# Altium PCB LPCB235R0.PcbDoc (part 7 of 7)
Units mm, origin at the board's own origin, x right, y up, seen from the top; angles counter-clockwise.
Board outline 134 x 120 mm, 6 copper layers (Top Layer, IP1(DGND), MidLayer1, MidLayer2, IP2(D3V3), Bottom Layer), stack 1.623 mm thick; 472 components, 425 nets, 2110 pads, 1126 vias.
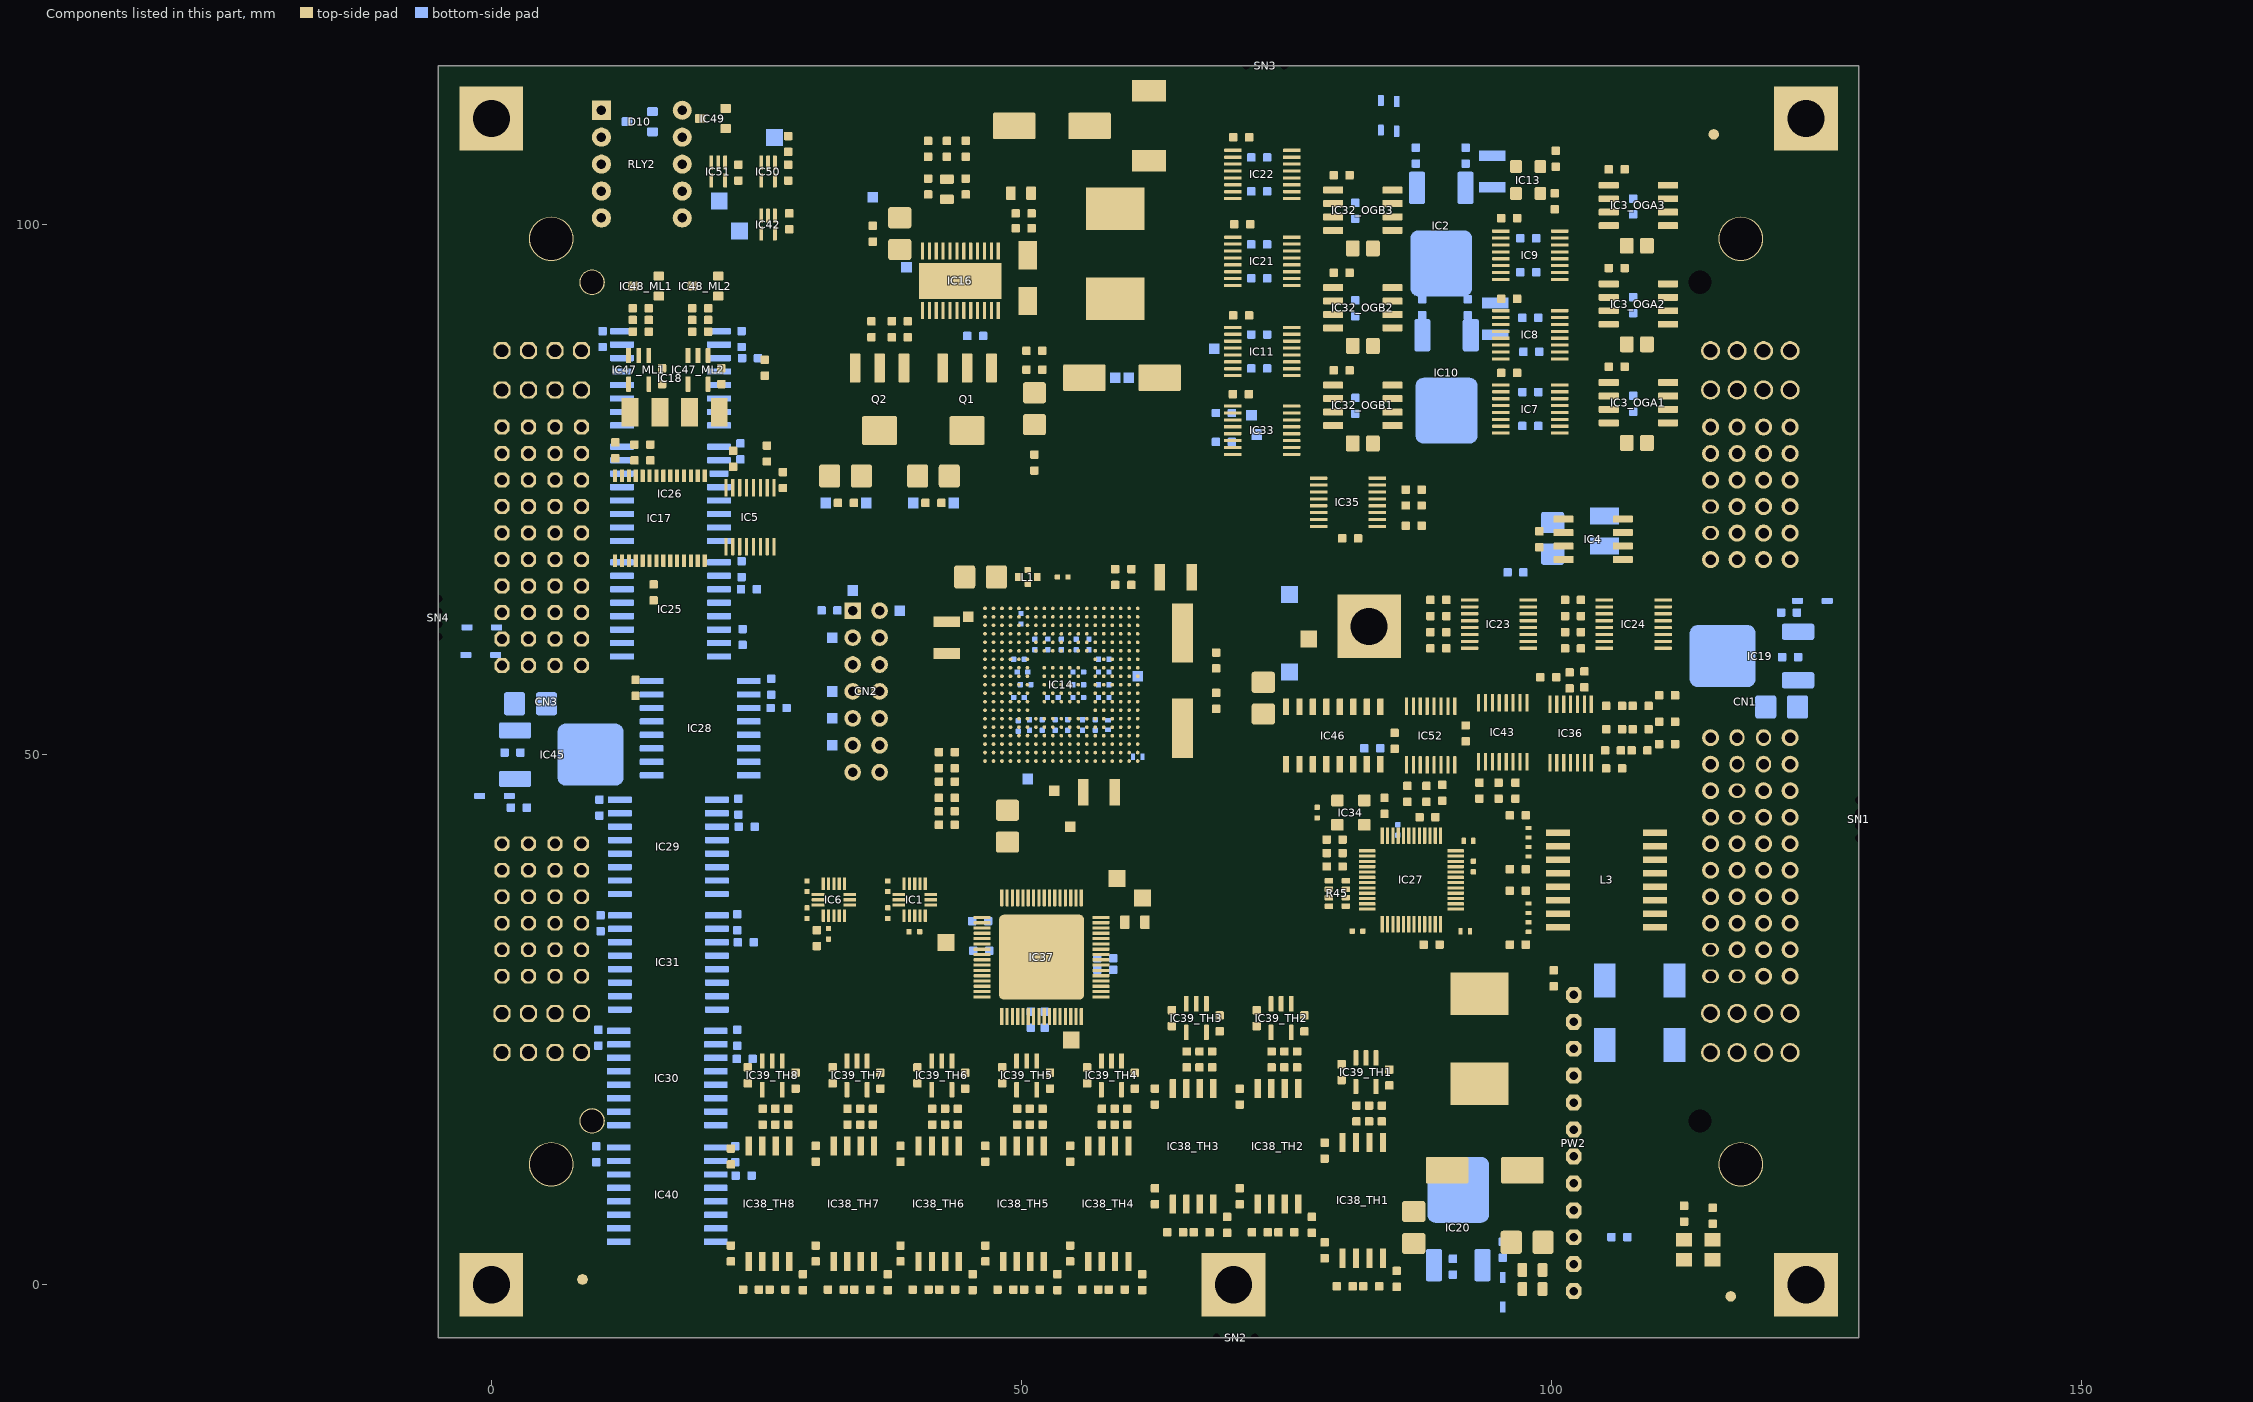
[diagram p11: the components of this part, seen from the top]

## Polygon pours and split planes (outlines as drawn) (continued)
P5V3 on MidLayer2 "Top Layer-No Net" (solid, pour order 80): 30.016,92.028 39.922,92.028 39.922,92.663 40.43,93.171 43.732,93.171 50.463,86.44 50.463,82.376 51.352,81.487 56.432,81.487 56.94,80.979 56.94,72.089 56.559,71.708 50.336,71.708 48.05,69.422 48,69.4 29.6,69.4 29.635,91.647
D5V_SER on MidLayer2 "Keep-Out Layer-No Net" (solid, remove dead copper, pour order 47): 68.7,108.2 108.6,108.2 108.6,78.5 68.7,78.5
DGND on IP1(DGND) (split plane): 128.49,-4.49 -4.49,-4.49 -4.49,114.49 128.49,114.49
D3V3_SER on IP2(D3V3) (split plane): 108.448,80.004 107.996,79.552 103,79.552 102.935,79.544 102.874,79.518 102.822,79.478 101.146,77.802 85.35,77.802 85.285,77.794 85.224,77.768 85.172,77.728 84.422,76.978 84.382,76.926 84.356,76.865 84.348,76.8 84.348,69.604 83.696,68.952 79.404,68.952 78.452,69.904 78.452,75.7 78.444,75.765 78.418,75.826 78.378,75.878 76.528,77.728 76.476,77.768 76.415,77.794 76.35,77.802 69.369,77.802 68.626,78.545 68.626,90.631 68.626,101.934 68.626,114.147 68.969,114.49 108.448,114.49
P5V3 on IP2(D3V3) (split plane): 68.114,114.147 68.114,101.934 68.114,90.631 68.114,89.721 67.629,89.236 46.886,89.236 45.183,90.939 45.13,90.98 45.068,91.005 45.002,91.014 34.448,91.014 29.952,95.51 29.952,114.49 67.771,114.49
D3V3_CPU on IP2(D3V3) (split plane): 128.49,-4.49 100.552,-4.49 100.552,8.7 100.544,8.765 100.518,8.826 100.478,8.878 99.078,10.278 98.978,10.378 98.926,10.418 98.865,10.444 98.8,10.452 46.852,10.452 46.852,25.548 73.5,25.548 73.565,25.556 73.626,25.582 73.678,25.622 76.178,28.122 76.201,28.151 76.218,28.174 76.226,28.192 76.244,28.235 76.252,28.3 76.252,46.396 76.804,46.948 105.2,46.948 105.265,46.956 105.326,46.982 105.378,47.022 106.078,47.722 106.118,47.774 106.144,47.835 106.152,47.9 106.152,49.648 112.4,49.648 112.465,49.656 112.526,49.682 112.578,49.722 113.178,50.322 113.218,50.374 113.244,50.435 113.252,50.5 113.252,52.196 114.304,53.248 128.49,53.248
D3V3_IO on IP2(D3V3) (split plane): 128.49,65.936 128.482,65.926 128.456,65.865 128.448,65.8 128.448,53.752 114.2,53.752 114.135,53.744 114.074,53.718 114.044,53.696 114.022,53.678 112.822,52.478 112.782,52.426 112.756,52.365 112.748,52.3 112.748,50.604 112.296,50.152 106.152,50.152 106.152,51 106.144,51.065 106.118,51.126 106.096,51.156 106.078,51.178 105.078,52.178 105.026,52.218 104.965,52.244 104.9,52.252 85.009,52.252 86.778,54.022 86.818,54.074 86.844,54.135 86.852,54.2 86.852,65.696 87.104,65.948 128.49,65.948
D3V3_CPU on IP2(D3V3) (split plane): 128.49,66.452 87,66.452 86.935,66.444 86.874,66.418 86.844,66.396 86.822,66.378 86.422,65.978 86.382,65.926 86.356,65.865 86.348,65.8 86.348,54.304 84.296,52.252 72.2,52.252 72.135,52.244 72.092,52.226 72.074,52.218 72.051,52.201 72.022,52.178 71.322,51.478 71.282,51.426 71.256,51.365 71.248,51.3 71.248,33.604 69.896,32.252 46.852,32.252 46.852,40.9 46.844,40.965 46.818,41.026 46.778,41.078 44.078,43.778 44.026,43.818 43.965,43.844 43.9,43.852 29.504,43.852 28.552,44.804 28.552,91.8 28.544,91.865 28.518,91.926 28.496,91.956 28.478,91.978 23.878,96.578 23.826,96.618 23.765,96.644 23.7,96.652 12.4,96.652 12.335,96.644 12.274,96.618 12.244,96.596 12.222,96.578 11.722,96.078 11.682,96.026 11.656,95.965 11.648,95.9 11.648,92.552 -4.49,92.552 -4.49,114.49 29.448,114.49 29.448,95.431 29.444,95.4 29.453,95.334 29.478,95.272 29.519,95.219 34.161,90.577 34.214,90.536 34.232,90.529 34.276,90.511 34.342,90.502 44.896,90.502 46.599,88.799 46.652,88.758 46.696,88.74 46.714,88.733 46.78,88.724 67.629,88.724 68.114,88.239 68.114,78.439 68.123,78.373 68.148,78.311 68.189,78.258 69.078,77.369 69.131,77.328 69.193,77.303 69.259,77.294 69.29,77.298 76.246,77.298 77.948,75.596 77.948,69.8 77.956,69.735 77.982,69.674 78.022,69.622 79.122,68.522 79.144,68.504 79.174,68.482 79.235,68.456 79.3,68.448 83.8,68.448 83.865,68.456 83.926,68.482 83.978,68.522 84.778,69.322 84.801,69.351 84.818,69.374 84.826,69.392 84.844,69.435 84.852,69.5 84.852,76.696 85.454,77.298 101.25,77.298 101.315,77.306 101.376,77.332 101.428,77.372 103.104,79.048 108.1,79.048 108.165,79.056 108.226,79.082 108.278,79.122 108.878,79.722 108.918,79.774 108.944,79.835 108.952,79.9 108.952,114.49 114.761,114.49 115.179,114.072 115.232,114.031 115.294,114.006 115.36,113.997 115.426,114.006 115.488,114.031 115.541,114.072 115.959,114.49 128.49,114.49
D3V3_CPU on IP2(D3V3) (split plane): 41.248,38.896 41.248,35.9 41.248,29.352 29.204,29.352 28.052,30.504 28.052,40.048 40.096,40.048
D5V_IO on IP2(D3V3) (split plane): 28.048,91.696 28.048,44.7 28.056,44.635 28.082,44.574 28.122,44.522 29.222,43.422 29.244,43.404 29.274,43.382 29.335,43.356 29.4,43.348 43.796,43.348 46.348,40.796 46.348,32 46.356,31.935 46.382,31.874 46.422,31.822 46.474,31.782 46.535,31.756 46.6,31.748 70,31.748 70.065,31.756 70.126,31.782 70.178,31.822 71.678,33.322 71.718,33.374 71.744,33.435 71.752,33.5 71.752,51.196 72.304,51.748 84.203,51.748 84.224,51.732 84.285,51.706 84.35,51.698 84.415,51.706 84.476,51.732 84.497,51.748 104.796,51.748 105.648,50.896 105.648,48.004 105.096,47.452 76.7,47.452 76.635,47.444 76.574,47.418 76.522,47.378 75.822,46.678 75.782,46.626 75.756,46.565 75.748,46.5 75.748,28.404 73.396,26.052 46.6,26.052 46.535,26.044 46.474,26.018 46.422,25.978 46.382,25.926 46.356,25.865 46.348,25.8 46.348,10.2 46.356,10.135 46.382,10.074 46.422,10.022 46.474,9.982 46.535,9.956 46.6,9.948 98.696,9.948 98.722,9.922 100.048,8.596 100.048,-4.49 20.452,-4.49 20.452,8.796 21.504,9.848 41.5,9.848 41.565,9.856 41.626,9.882 41.678,9.922 41.718,9.974 41.744,10.035 41.752,10.1 41.752,35.9 41.752,39 41.744,39.065 41.718,39.126 41.678,39.178 40.378,40.478 40.326,40.518 40.265,40.544 40.2,40.552 27.104,40.552 25.852,41.804 25.852,62 25.852,83.4 25.844,83.465 25.818,83.526 25.778,83.578 24.978,84.378 24.926,84.418 24.865,84.444 24.8,84.452 12.804,84.452 12.152,85.104 12.152,95.796 12.504,96.148 23.596,96.148
D3V3_ASI on IP2(D3V3) (split plane): 11.648,85 11.656,84.935 11.682,84.874 11.722,84.822 12.522,84.022 12.574,83.982 12.635,83.956 12.7,83.948 24.696,83.948 25.348,83.296 25.348,62 25.348,61.8 25.348,41.7 25.356,41.635 25.382,41.574 25.422,41.522 26.822,40.122 26.874,40.082 26.935,40.056 27,40.048 27.548,40.048 27.548,30.4 27.556,30.335 27.582,30.274 27.622,30.222 28.922,28.922 28.974,28.882 29.035,28.856 29.1,28.848 41.248,28.848 41.248,10.352 21.4,10.352 21.335,10.344 21.274,10.318 21.244,10.296 21.222,10.278 20.022,9.078 19.982,9.026 19.956,8.965 19.948,8.9 19.948,-4.49 -4.49,-4.49 -4.49,92.048 11.648,92.048

## Keep-outs
Keep-Out Layer:
  the board outline again, w0.5

## Other copper
IP1(DGND) (plane layer: these items are gaps in the copper):
  lines w0.5: 32,115 126,115 ; 48.4,-5 126,-5 ; 129,-2 129,112
  lines w1: 44.809,-5.009 48.4,-5.009
  text "DGND" at 42.97,109.935 h1.14
  text "DGND" at 123.615,104.22 h1.14
  text "DGND" at 60.75,76.915 h1.14
  text "DGND" at 93.77,68.66 h1.14
  text "DGND" at 120.44,62.31 h1.14
  text "DGND" at 48.05,43.26 h1.14
  text "DGND" at 107.105,36.91 h1.14
IP2(D3V3) (plane layer: these items are gaps in the copper):
  lines w0.1: 32,115 126,115 ; 48.4,-5 126,-5 ; 129,-2 129,112
  lines w0.5: -5,92.3 11.9,92.3 ; 20.2,-5 20.2,8.9 21.4,10.1 41.5,10.1 41.5,35.9 41.5,39 40.2,40.3 27,40.3 25.6,41.7 25.6,62 ; 25.6,61.8 25.6,83.4 24.8,84.2 12.7,84.2 11.9,85 11.9,95.9 12.4,96.4 23.7,96.4 28.3,91.8 28.3,44.7 29.4,43.6 43.9,43.6 46.6,40.9 46.6,32 60.1,32 ; 27.8,40.3 27.8,30.4 29.1,29.1 41.5,29.1 ; 29.7,95.4 29.7,115 ; 32,115 126,115 ; 48.4,-5 126,-5 ; 59.7,32 70,32 71.5,33.5 71.5,51.3 72.2,52 104.9,52 105.9,51 105.9,47.9 105.2,47.2 76.7,47.2 76,46.5 76,28.3 73.5,25.8 59.9,25.8 ; 60.1,25.8 46.6,25.8 46.6,10.2 98.8,10.2 99,10 ; 69.259,77.55 74.6,77.55 76.35,77.55 78.2,75.7 78.2,69.8 79.3,68.7 83.8,68.7 84.6,69.5 84.6,76.8 85.35,77.55 86.2,77.55 101.25,77.55 103,79.3 108.1,79.3 108.7,79.9 108.7,115 ; 84.35,51.95 86.6,54.2 86.6,65.8 87,66.2 129,66.2 ; 98.9,10.1 100.3,8.7 100.3,-5 ; 105.9,49.9 112.4,49.9 113,50.5 113,52.3 114.2,53.5 128.8,53.5 128.7,53.6 128.7,65.8 ; 129,-2 129,112 ; -5,-5 129,-5 129,115 -5,115 -5,-5
  lines w0.508: 29.7,95.4 34.342,90.758 45.002,90.758 46.78,88.98 68.37,88.98 ; 67.623,115 68.37,114.253 69.117,115 ; 68.37,88.345 67.735,88.98 68.37,89.615 ; 68.37,115 68.37,101.934 68.37,90.631 68.37,78.439 69.259,77.55 ; 114.613,115 115.36,114.253 116.107,115
  lines w1: 45.009,-5.009 48.4,-5.009
  text "D3V3_SER" at 75.755,110.135 h1.14
  text "P5V3" at 39.16,109.935 h1.14
  text "D3V3" at 119.17,104.855 h1.14
  text "P5V3" at 62.655,97.235 h1.14
  text "D5V_IO" at 18.1,94.22 h1.14
  text "D3V3_ASI" at -2.22,82.4 h1.14 r90
  text "D3V3_CPU" at 56.305,77.55 h1.14
  text "D3V3_IO" at 117.265,63.58 h1.14
  text "D5V_IO" at 30.2,41.22 h1.14
  text "D3V3" at 54.4,40.72 h1.14
  text "D3V3 CPU" at 29.592,37.497 h0.89
  text "D5V_IO" at 69,29.42 h1.14
  text "D3V3_ASI" at 28.4,25.12 h1.14
  text "D5V_IO" at 21.8,-2.68 h1.14
  text "D5V_IO" at 87.5,-2.78 h1.14

## Silkscreen, mask and mechanical layers (free items; w line width, h text height)
Top Overlay:
  rectangle: 25.9,24.5 40.9,30.2
  text "FLIGHT CONTROL UNIT" at 12.9,-3.1 h2
Bottom Overlay:
  lines w0.127: 53.765,48.848 53.765,49.737 54.019,49.991
Top Paste:
  lines w1: -29.4,-50.7 -29.4,162.3 170.6,162.3 170.6,-50.7 -29.4,-50.7
Bottom Paste:
  lines w1: -29.4,-50.7 170.6,-50.7 170.6,162.3 -29.4,162.3 -29.4,-50.7
Bottom Solder:
  region: 30.651,107.141 30.016,106.506 30.016,91.774 31.286,90.504 34.588,90.504 35.096,91.012 35.096,92.409 35.35,92.663 36.366,92.663 37.89,91.139 47.669,91.139 48.812,89.996 52.622,89.996 53.257,90.631 53.257,93.425 51.987,94.695 49.066,94.695 47.923,95.838 47.923,97.362 47.161,98.124 40.557,98.124 38.525,100.156 35.477,100.156 34.842,100.791 34.842,103.077 35.477,103.712 39.16,103.712 39.922,104.474 39.922,106.506 39.287,107.141
Mech1_PCB_Outline:
  the board outline again, w0.1
Mechanical 2:
  lines w0.127: 60.115,66.12 92.5,66.12

## Text inside footprints (layer, text, board x,y; h text height)
CN1: Top Overlay "PCB LIMIT AT THIS LINE" at 129.6,21.5 h1 r90
CN3: Top Overlay "PCB LIMIT AT THIS LINE" at -6.1,88.5 h1 r270
LBL1: Top Overlay "STATIC SENSITIVE" at 62.926,33.104 h2
LBL2: Top Overlay "rloop.org" at 13.15,-0.6 h1